# Altium PCB PCB2.PcbDoc (part 4 of 4)
Units mil, origin at the board's own origin, x right, y up, seen from the top; angles counter-clockwise.
Board outline 9200.4 x 4356.3 mil, 4 copper layers (Top Layer, Layer 1, Layer 2, Bottom Layer), stack 23.756 mil thick; 338 components, 1355 nets, 1355 pads, 694 vias.
Unrouted connection lines stored in the file: 1569.
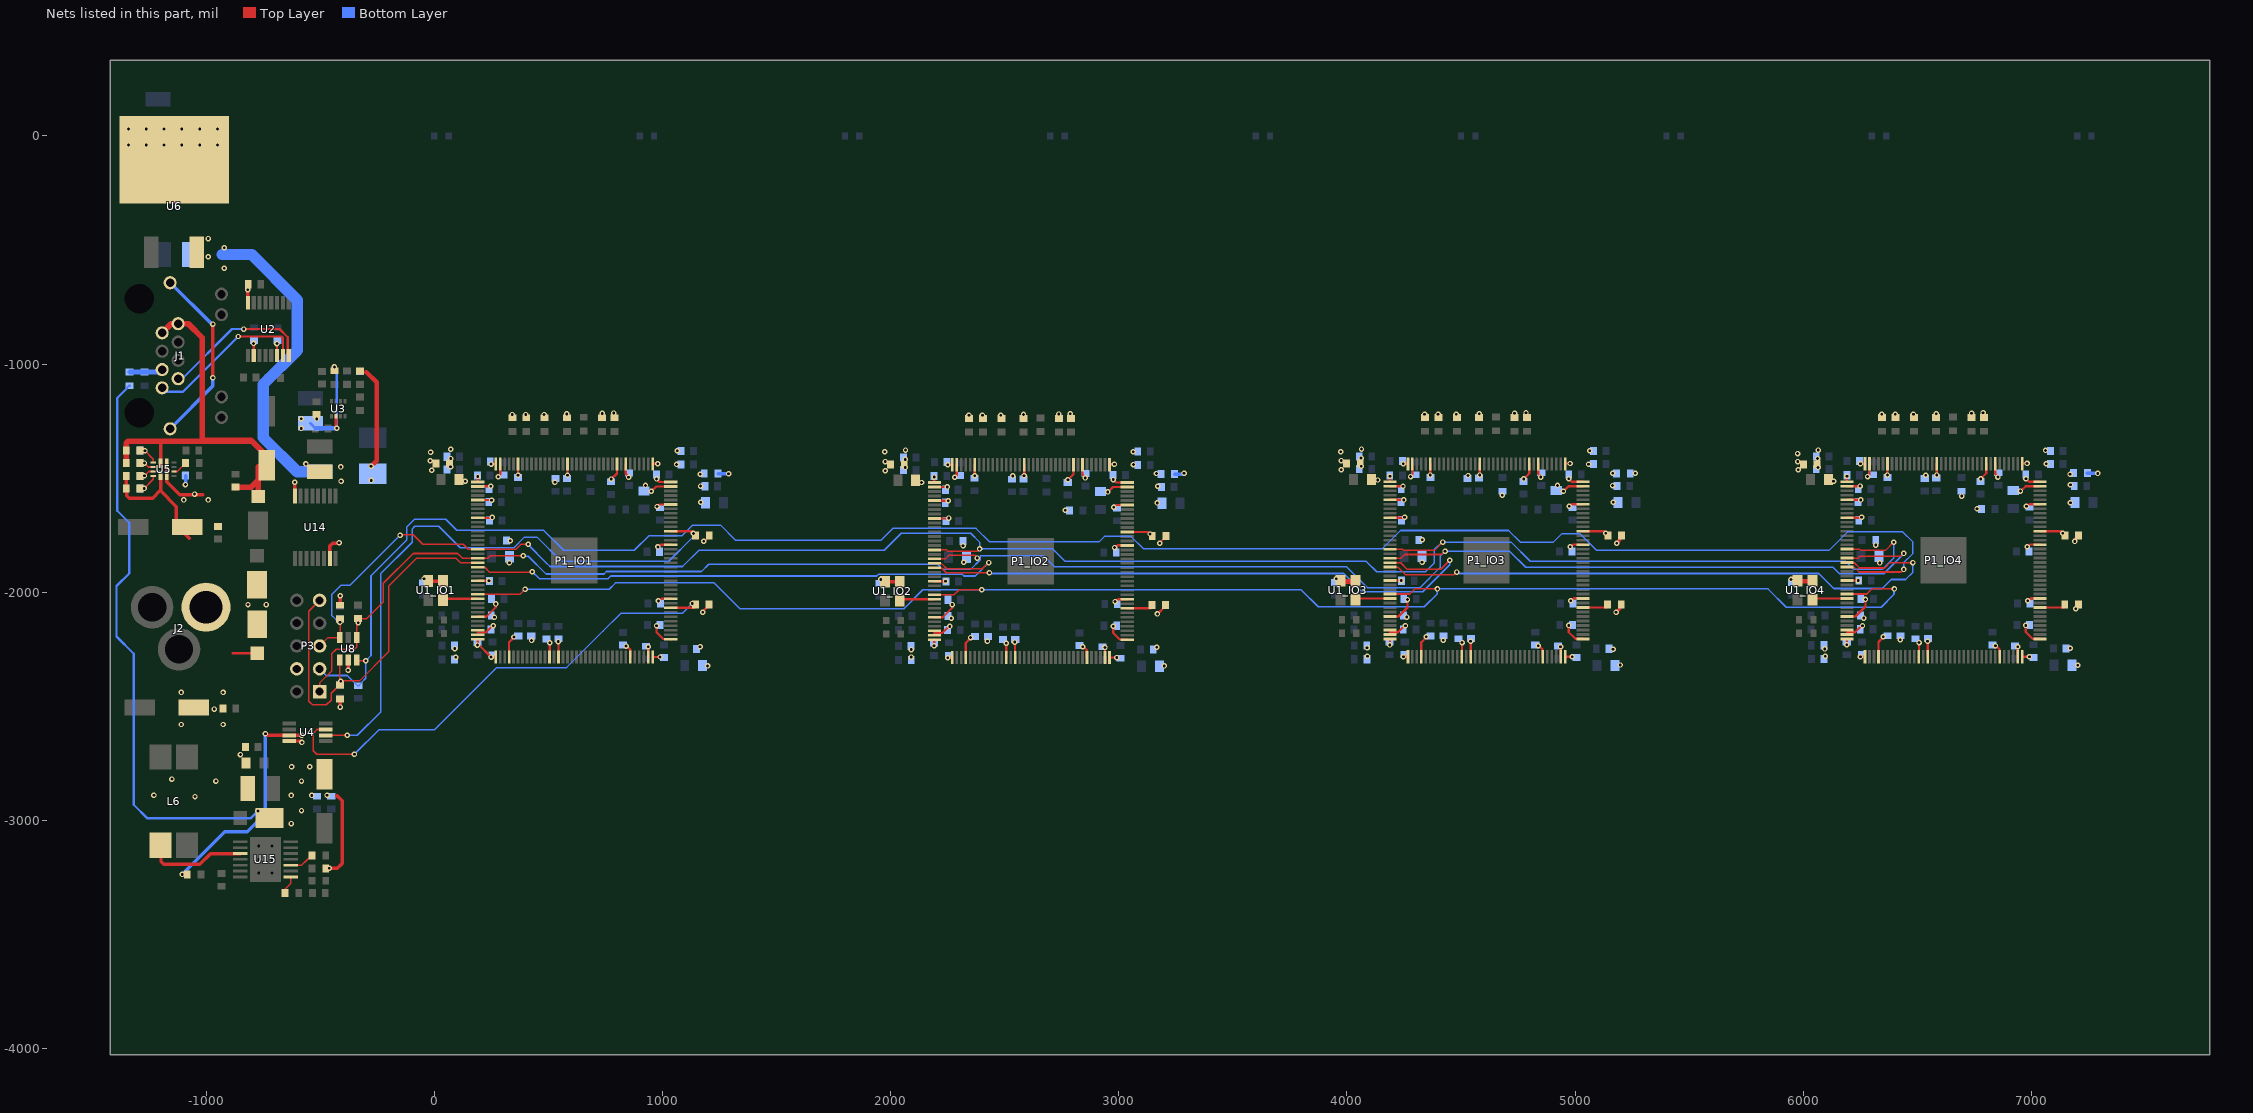
[diagram p6: the nets of this part, all layers, seen from the top]

## Via types
v1: diameter 24, hole 12, Top Layer to Bottom Layer, 694 vias

## Nets (pads, with @x,y where several pads share a name; then routed paths per layer and width w, separated by ;. In a path a pad name is that pad's centre, name@x,y a point inside that pad or via, vN(x,y) a via of type N, cw(c..) or ccw(c..) an arc to the next point about the centre after c; other vN are vias at no path point) (continued)
NetR29_U_VoltageAmplifier112_1: 
NetR29_U_VoltageAmplifier113_1: 
NetR29_U_VoltageAmplifier114_1: 
NetR29_U_VoltageAmplifier121_1: 
NetR29_U_VoltageAmplifier122_1: 
NetR29_U_VoltageAmplifier123_1: 
NetR29_U_VoltageAmplifier124_1: 
NetR29_U_VoltageAmplifier131_1: 
NetR29_U_VoltageAmplifier132_1: 
NetR29_U_VoltageAmplifier133_1: 
NetR29_U_VoltageAmplifier134_1: 
NetR29_U_VoltageAmplifier141_1: 
NetR29_U_VoltageAmplifier142_1: 
NetR29_U_VoltageAmplifier143_1: 
NetR29_U_VoltageAmplifier144_1: 
NetR29_U_VoltageAmplifier151_1: 
NetR29_U_VoltageAmplifier152_1: 
NetR29_U_VoltageAmplifier153_1: 
NetR29_U_VoltageAmplifier154_1: 
NetR29_U_VoltageAmplifier161_1: 
NetR29_U_VoltageAmplifier162_1: 
NetR29_U_VoltageAmplifier163_1: 
NetR29_U_VoltageAmplifier164_1: 
NetR29_U_VoltageAmplifier171_1: 
NetR29_U_VoltageAmplifier172_1: 
NetR29_U_VoltageAmplifier173_1: 
NetR29_U_VoltageAmplifier174_1: 
NetR29_U_VoltageAmplifier181_1: 
NetR29_U_VoltageAmplifier182_1: 
NetR29_U_VoltageAmplifier183_1: 
NetR29_U_VoltageAmplifier184_1: 
NetR29_U_VoltageAmplifier191_1: 
NetR29_U_VoltageAmplifier192_1: 
NetR29_U_VoltageAmplifier193_1: 
NetR29_U_VoltageAmplifier194_1: 
NetR29_U_VoltageAmplifier201_1: 
NetR29_U_VoltageAmplifier202_1: 
NetR29_U_VoltageAmplifier203_1: 
NetR29_U_VoltageAmplifier204_1: 
NetR29_U_VoltageAmplifier211_1: 
NetR29_U_VoltageAmplifier212_1: 
NetR29_U_VoltageAmplifier213_1: 
NetR29_U_VoltageAmplifier214_1: 
NetR29_U_VoltageAmplifier221_1: 
NetR29_U_VoltageAmplifier222_1: 
NetR29_U_VoltageAmplifier223_1: 
NetR29_U_VoltageAmplifier224_1: 
NetR29_U_VoltageAmplifier231_1: 
NetR29_U_VoltageAmplifier232_1: 
NetR29_U_VoltageAmplifier233_1: 
NetR29_U_VoltageAmplifier234_1: 
NetR29_U_VoltageAmplifier241_1: 
NetR29_U_VoltageAmplifier242_1: 
NetR29_U_VoltageAmplifier243_1: 
NetR29_U_VoltageAmplifier244_1: 
NetR29_U_VoltageAmplifier251_1: 
NetR29_U_VoltageAmplifier252_1: 
NetR29_U_VoltageAmplifier253_1: 
NetR29_U_VoltageAmplifier254_1: 
NetR29_U_VoltageAmplifier261_1: 
NetR29_U_VoltageAmplifier262_1: 
NetR29_U_VoltageAmplifier263_1: 
NetR29_U_VoltageAmplifier264_1: 
NetR29_U_VoltageAmplifier271_1: 
NetR29_U_VoltageAmplifier272_1: 
NetR29_U_VoltageAmplifier273_1: 
NetR29_U_VoltageAmplifier274_1: 
NetR29_U_VoltageAmplifier281_1: 
NetR29_U_VoltageAmplifier282_1: 
NetR29_U_VoltageAmplifier283_1: 
NetR29_U_VoltageAmplifier284_1: 
NetR29_U_VoltageAmplifier291_1: 
NetR29_U_VoltageAmplifier292_1: 
NetR29_U_VoltageAmplifier293_1: 
NetR29_U_VoltageAmplifier294_1: 
NetR29_U_VoltageAmplifier301_1: 
NetR29_U_VoltageAmplifier302_1: 
NetR29_U_VoltageAmplifier303_1: 
NetR29_U_VoltageAmplifier304_1: 
NetR29_U_VoltageAmplifier311_1: 
NetR29_U_VoltageAmplifier312_1: 
NetR29_U_VoltageAmplifier313_1: 
NetR29_U_VoltageAmplifier314_1: 
NetR29_U_VoltageAmplifier321_1: 
NetR29_U_VoltageAmplifier322_1: 
NetR29_U_VoltageAmplifier323_1: 
NetR29_U_VoltageAmplifier324_1: 
NetR29_U_VoltageAmplifier331_1: 
NetR29_U_VoltageAmplifier332_1: 
NetR29_U_VoltageAmplifier333_1: 
NetR29_U_VoltageAmplifier334_1: 
NetR29_U_VoltageAmplifier341_1: 
NetR29_U_VoltageAmplifier342_1: 
NetR29_U_VoltageAmplifier343_1: 
NetR29_U_VoltageAmplifier344_1: 
NetR29_U_VoltageAmplifier351_1: 
NetR29_U_VoltageAmplifier352_1: 
NetR29_U_VoltageAmplifier353_1: 
NetR29_U_VoltageAmplifier354_1: 
NetR29_U_VoltageAmplifier361_1: 
NetR29_U_VoltageAmplifier362_1: 
NetR29_U_VoltageAmplifier363_1: 
NetR29_U_VoltageAmplifier364_1: 
NetR29_U_VoltageAmplifier371_1: 
NetR29_U_VoltageAmplifier372_1: 
NetR29_U_VoltageAmplifier373_1: 
NetR29_U_VoltageAmplifier374_1: 
NetR29_U_VoltageAmplifier381_1: 
NetR29_U_VoltageAmplifier382_1: 
NetR29_U_VoltageAmplifier383_1: 
NetR29_U_VoltageAmplifier384_1: 
NetR35_2: R35.2 R38.2 U5.5 | length 46.3
  Top Layer w7: v1(-1269.86,-1489.03) -1251.48,-1470.64 U5.5@-1231.16,-1470.64
NetR36_1: R36.1 R39.1 U5.6 | length 71.6
  Top Layer w7: v1(-1271.36,-1545.23) -1231.16,-1505.02 U5.6@-1231.16,-1490.33
NetR40_1: R40.1 U5.10 | length 66
  Top Layer w7: U5.10@-1140.6,-1470.64 -1125.94,-1470.64 R40.1@-1089.66,-1434.36
NetR41_2: R41.2 R43.2 U5.4 | length 46
  Top Layer w7: v1(-1270.06,-1433.83) -1252.93,-1450.96 U5.4@-1231.16,-1450.96
NetR42_1: R42.1 R44.1 U5.3 | length 66.7
  Top Layer w7: v1(-1267.96,-1379.83) -1231.16,-1416.63 U5.3@-1231.16,-1431.27
NetR47_2: R47.2 U15.8 | length 80.1
  Top Layer w7: R47.2@-653.5,-3317.6 -653.5,-3300.6 -629.36,-3276.46 U15.8@-629.36,-3247.51
NetR48_2: R48.2 U15.10 | length 105.7
  Top Layer w7: U15.10@-629.36,-3196.33 -581.38,-3196.33 -574.15,-3189.1 -568,-3182.95 -540.65,-3155.6 R48.2@-540.5,-3155.6
PWR_CNTRL: C78.2 C79.1 D4.2 J1.7 J1.8 R41.1 R42.2 U5.2 | length 2076.2
  Top Layer w15: U5.2@-1199.3,-1447.6 -1199.3,-1337.6
  Top Layer w25: R41.1@-1349.46,-1434.36 R42.2@-1349.46,-1378.83 -1349.46,-1346.23 -1340.83,-1337.6 -1199.3,-1337.6 -799.7,-1337.6 ; J1.7@-1192.58,-863.31 -1152.42,-823.16 J1.8@-1122.5,-823.16 -1078.17,-823.16 -1016.2,-885.13 -1016.2,-1332.1 ; -1016.2,-1334.4 -802.9,-1334.4 -799.7,-1337.6 ; C78.2@-872.63,-1540.69 C78.2@-870.1,-1538.16 ; C78.2@-870.1,-1539.62 -802.47,-1539.62 -771.9,-1509.05 ; D4.2@-771.9,-1580.34 -771.9,-1509.05 ; -771.9,-1451.5 -771.9,-1509.05 ; -799.7,-1337.6 -753.8,-1383.5 -753.8,-1490.95 -771.9,-1509.05
PWR_LOCAL: C75.2 C76.1 D6.2 J2.1 R35.1 R36.2 U5.7 | length 763.1
  Top Layer w10: J2.1@-1000.29,-2158.56 J2.1@-1000.29,-2065.46 ; -884.1,-2267.1 D6.2@-776,-2267.1
  Top Layer w15: R35.1@-1349.46,-1489.89 R36.2@-1349.46,-1545.43 -1346.95,-1547.94 -1346.95,-1576.64 -1336.46,-1587.13 -1234.26,-1587.13 -1200.81,-1553.67 ; U5.7@-1199.66,-1487.37 -1199.36,-1487.67 -1199.36,-1552.23 -1200.81,-1553.67 ; C76.1@-1135.2,-1702.5 -1073.6,-1764.1 ; C76.1@-1130,-1680 -1130,-1624.48 -1200.81,-1553.67
RS232_RX: J1.2 U2.8 | length 667.7
  Top Layer w10: v1(-834.3,-846.4) -678.36,-846.4 -642.27,-882.49 -642.27,-932.98 -641.39,-933.85 -641.39,-959.01 U2.8@-637.53,-962.87
  Bottom Layer w10: J1.2@-1122.5,-1064.1 -1104.08,-1064.1 -886.38,-846.4 v1(-834.3,-846.4)
RS232_TX: J1.1 U2.7 | length 716.3
  Top Layer w10: v1(-859.38,-879.2) -669.6,-879.2 -663.12,-885.68 U2.7@-663.12,-962.87
  Bottom Layer w10: J1.1@-1192.58,-1104.26 -1175.99,-1120.84 -1101.03,-1120.84 v1(-859.38,-879.2)
SCL: P1_IO1.97 R14_IO1.1 U4.2 | length 2659.6
  Top Layer w7: U4.2@-475.8,-2627 v1@-379,-2627
  Top Layer w10: P1_IO1.97@1036.22,-1733.1 1127,-1733.1 v1(1136,-1742.1) R14_IO1.1@1145,-1751.1
  Bottom Layer w7: v1(-381.48,-2627.04) -337.04,-2627.04 -235.28,-2525.28 -235.28,-1918.84 -96.8,-1780.35 -96.8,-1722.65 -85,-1710.84 20.18,-1710.84 114.42,-1805.08 349.11,-1805.08 395.93,-1758.26 450.3,-1758.26 556.14,-1864.11 1027.12,-1864.11 1133.65,-1757.57 1133.65,-1744.46 v1(1136,-1742.1)
SCL_IO2: P1_IO2.97 R14_IO2.1 | length 116.2
  Top Layer w10: P1_IO2.97@3037.32,-1735.7 3128.1,-1735.7 v1(3137.1,-1744.7) R14_IO2.1@3146.1,-1753.7
SCL_IO3: P1_IO3.97 R14_IO3.1 | length 116.2
  Top Layer w10: P1_IO3.97@5034.22,-1732.25 5125,-1732.25 v1(5134,-1741.25) R14_IO3.1@5143,-1750.25
SCL_IO4: P1_IO4.97 R14_IO4.1 | length 116.2
  Top Layer w10: P1_IO4.97@7037.22,-1732.1 7128,-1732.1 R14_IO4.1@7146,-1750.1
  other v1: 7137,-1741.1
SDA: P1_IO1.80 R20_IO1.1 U4.3 | length 2188
  Top Layer w7: U4.3@-475.8,-2601 -476.36,-2601.56 -513.91,-2601.56 -529.97,-2617.62 -529.97,-2694.53 -514.5,-2710 v1(-350,-2710)
  Top Layer w10: P1_IO1.80@1036.22,-2067.75 1139.75,-2067.75 R20_IO1.1@1144.2,-2063.3
  Bottom Layer w7: v1(-350,-2710) -242.33,-2602.33 1.44,-2602.33 273.77,-2330 580,-2330 740,-2170 817.2,-2092.8 1086.3,-2092.8 1129.8,-2049.3 v1(1130.2,-2049.3)
SDA_IO2: P1_IO2.80 R20_IO2.1 | length 202.8
  Top Layer w10: R20_IO2.1@3145.3,-2065.9 3140.85,-2070.35 R20_IO2.1@3130.3,-2070.35 ; R20_IO2.1@3130.3,-2070.35 P1_IO2.80@3037.32,-2070.35 R20_IO2.1@3130.3,-2070.35
SDA_IO3: P1_IO3.80 R20_IO3.1 | length 202.8
  Top Layer w10: R20_IO3.1@5142.2,-2062.45 5137.75,-2066.9 R20_IO3.1@5127.2,-2066.9 ; R20_IO3.1@5127.2,-2066.9 P1_IO3.80@5034.22,-2066.9 R20_IO3.1@5127.2,-2066.9
SDA_IO4: P1_IO4.80 R20_IO4.1 | length 202.8
  Top Layer w10: R20_IO4.1@7145.2,-2062.3 7140.75,-2066.75 R20_IO4.1@7130.2,-2066.75 ; R20_IO4.1@7130.2,-2066.75 P1_IO4.80@7037.22,-2066.75 R20_IO4.1@7130.2,-2066.75
SHIELD: J1.MH1 J1.MH2 | length 799.5
  Top Layer w15: v1(-970,-1060) v1(-969.97,-824.5)
  Bottom Layer w15: J1.MH2@-1157.54,-1283.78 -970,-1096.25 v1(-970,-1060) ; J1.MH1@-1157.54,-643.63 -1156.37,-643.63 -975.5,-824.5 v1(-969.97,-824.5)
TCK: C36.2 P1_IO1.18 P1_IO2.18 P1_IO3.18 P1_IO4.18 P3.1 R12.2 U8.1 | length 8409.7
  Top Layer w7: P3.1@-502.4,-2435.5 -502.4,-2398.03 -450,-2345.63 -450,-2270 -430,-2250 -350,-2250 -339.6,-2239.6 U8.1@-339.6,-2198.69 -339.6,-2144.98 -332.71,-2138.09 v1(-332.71,-2133.49) ; R12.2@-333.4,-2115.5 -295.5,-2115.5 -223.02,-2043.02 -223.02,-1960.83 -92.18,-1830 102.49,-1830 123.7,-1851.21 P1_IO1.18@190.71,-1851.21 234.82,-1851.21 246.03,-1840 v1(390,-1840) ; P1_IO2.18@2191.81,-1853.81 2240.57,-1853.81 2256.26,-1838.12 2368.12,-1838.12 v1(2380,-1850) ; P1_IO3.18@4188.71,-1850.36 4237.47,-1850.36 4253.16,-1834.67 4412.85,-1834.67 4427.52,-1820 v1(4430,-1820) ; P1_IO4.18@6191.71,-1850.21 6240.47,-1850.21 6249.2,-1841.48 6427.4,-1841.48 6438.88,-1830 v1(6440,-1830)
  Bottom Layer w7: v1(390,-1840) 392.5,-1842.5 412.5,-1842.5 490,-1920 744,-1920 754.91,-1909.09 1170.91,-1909.09 1203.03,-1876.97 2206.97,-1876.97 2230,-1900 2350,-1900 2392.6,-1857.4 2392.6,-1840 2410,-1840 2670,-1840 2717.38,-1887.38 3997.2,-1887.38 4089.77,-1979.94 4320.06,-1979.94 4408.04,-1891.96 4408.04,-1841.96 v1(4430,-1820) 4712.58,-1820 4782.94,-1890.35 6130.35,-1890.35 6158.63,-1918.63 6352.35,-1918.63 6440,-1830.99 v1(6440,-1830)
TDI: C39.2 P1_IO1.19 P3.9 R10.2 U8.4 | length 1753.8
  Top Layer w7: P3.9@-502.4,-2035.5 -550,-2083.1 -550,-2477.1 -533.51,-2493.59 -472.69,-2493.59 -451.81,-2472.71 -451.81,-2443.18 -427.23,-2418.6 -424.4,-2418.6 R10.2@-412.9,-2407.1 ; U8.4@-414.4,-2297.11 -414.4,-2381 -410,-2385.4 v1(-410,-2390) ; v1@-410,-2388.66 -327.64,-2388.66 -200,-2261.02 -200,-1973.1 -77.36,-1850.46 94.99,-1850.46 114.94,-1870.41 190.22,-1870.41 P1_IO1.19@190.71,-1870.9
TDI_IO2: P1_IO1.20 P1_IO2.19 | length 2549.4
  Top Layer w7: P1_IO1.20@190.71,-1890.58 220.86,-1890.58 242.41,-1912.12 427.88,-1912.12 v1(430,-1910) ; P1_IO2.19@2191.81,-1873.5 2192.71,-1874.4 2222.98,-1874.4 2245.98,-1897.4 2401,-1897.4 v1@2424.9,-1873.5
  Bottom Layer w7: v1(430,-1910) 460,-1940 762.74,-1940 774.06,-1928.68 1939.7,-1928.68 1946.98,-1921.4 2313.92,-1921.4 2321.2,-1928.68 2371.32,-1928.68 v1(2430,-1870)
TDI_IO3: P1_IO2.20 P1_IO3.19 | length 2659.6
  Top Layer w7: P1_IO2.20@2191.81,-1893.18 2221.96,-1893.18 2243.51,-1914.72 v1(2433.03,-1914.72) ; P1_IO3.19@4188.71,-1870.05 4189.61,-1870.95 4235.09,-1870.95 4263.08,-1898.94 4411.06,-1898.94 v1(4450,-1860)
  Bottom Layer w7: v1(2433.03,-1914.72) 2436.26,-1917.95 3986.33,-1917.95 4066.18,-1997.81 4332.09,-1997.81 4450,-1879.89 v1(4450,-1860)
TDI_IO4: P1_IO3.20 P1_IO4.19 | length 2719.7
  Top Layer w7: P1_IO3.20@4188.71,-1889.73 4189.53,-1890.56 4223.68,-1890.56 4256.13,-1923.01 4468.55,-1923.01 4480.14,-1911.42 v1(4481.15,-1911.42) ; P1_IO4.19@6191.71,-1869.9 6192.61,-1870.8 6222.88,-1870.8 6245.88,-1893.8 6356.2,-1893.8 6380.1,-1869.9 6479.9,-1869.9 v1(6480,-1870)
  Bottom Layer w7: v1(4481.15,-1911.42) 4485.75,-1911.42 4492.13,-1917.8 6067.8,-1917.8 6133.74,-1983.74 6345.65,-1983.74 6385.18,-1944.21 6447.87,-1944.21 6480,-1912.09 v1(6480,-1870)
TDO: C37.2 P1_IO4.20 P3.3 U8.6 | length 8396.8
  Top Layer w7: U8.6@-339.6,-2297.11 -336.71,-2300 v1(-300,-2300) ; P1_IO4.20@6191.71,-1889.58 6221.86,-1889.58 6243.41,-1911.12 6428.88,-1911.12 v1(6440,-1900)
  Bottom Layer w7: P3.3@-502.4,-2335.5 -473.15,-2364.75 -380.71,-2364.75 -335.92,-2409.54 C37.2@-333.2,-2409.54 -330.48,-2409.54 -318.98,-2398.04 -318.98,-2395.32 -300,-2376.34 v1(-300,-2300) -277.37,-2277.37 -277.37,-1927.74 -119.81,-1770.19 -119.81,-1713.14 -86.67,-1680 50,-1680 98.13,-1728.13 479.25,-1728.13 567.46,-1816.34 877.01,-1816.34 941.08,-1752.27 1086.16,-1752.27 1132.95,-1705.48 1254.34,-1705.48 1321.66,-1772.8 1957.24,-1772.8 2009.84,-1720.2 2374.64,-1720.2 2432.33,-1777.89 2914.98,-1777.89 2937.47,-1755.4 3053.48,-1755.4 3106.59,-1808.51 4155.73,-1808.51 4234.8,-1729.44 4708.17,-1729.44 4758.73,-1780 4904.67,-1780 4940.45,-1744.22 5021.78,-1744.22 5094.28,-1816.72 6112.22,-1816.72 6193.38,-1735.56 6435.56,-1735.56 6480,-1780 6480,-1830 6440,-1870 v1(6440,-1900)
TMS: C38.2 P1_IO1.16 P1_IO2.16 P1_IO3.16 P1_IO4.16 P3.5 R11.2 U8.3 | length 8405.8
  Top Layer w7: P3.5@-502.4,-2235.5 -465.59,-2198.69 U8.3@-414.4,-2198.69 -412.8,-2197.09 R11.2@-412.8,-2116.9 ; v1(-150,-1750) -148.3,-1748.3 -91.7,-1748.3 -50,-1790 127.46,-1790 149.3,-1811.84 P1_IO1.16@190.71,-1811.84 358.16,-1811.84 380,-1790 412.09,-1790 v1(412.4,-1789.7) ; P1_IO2.16@2191.81,-1814.44 2244.91,-1814.44 2250.6,-1820.13 2379.87,-1820.13 v1(2390,-1810) ; P1_IO3.16@4188.71,-1810.99 4241.81,-1810.99 4247.5,-1816.68 4383.32,-1816.68 v1(4420,-1780) ; P1_IO4.16@6191.71,-1810.84 6244.81,-1810.84 6250.5,-1816.53 6360,-1816.53 6395.31,-1781.21 v1(6396.36,-1781.21)
  Bottom Layer w7: C38.2@-412.8,-2116.9 -415.9,-2120 -430.9,-2120 -430.9,-2119.83 -450,-2100.72 -450,-2010.52 -409.48,-1970 -370,-1970 v1(-150,-1750) ; v1(412.4,-1789.7) 412.4,-1792.4 487.01,-1867.01 507.32,-1887.32 1088.31,-1887.32 1160.19,-1815.44 1971.61,-1815.44 2046.17,-1740.88 2350.88,-1740.88 2390,-1780 v1(2390,-1810) 2710,-1810 2764.8,-1864.8 4084.8,-1864.8 4130.3,-1910.3 4344.41,-1910.3 4382.91,-1871.81 4382.91,-1813.36 4416.26,-1780 v1(4420,-1780) 4718.47,-1780 4802.72,-1864.25 6184.25,-1864.25 6220,-1900 6345.97,-1900 6396.36,-1849.62 v1(6396.36,-1781.21)
  other v1: -413.49,-2131.89
V+: C41.2 U2.2 | length 53.5
  Top Layer w10: v1(-791.8,-909.7) -791.08,-910.42 U2.2@-791.08,-962.87
V-: C44.2 U2.6 | length 53.2
  Top Layer w10: v1(-689.5,-910) -688.71,-910.79 U2.6@-688.71,-962.87
V_IN76_U_VoltageAmplifier_1xFPGA1: 
V_IN76_U_VoltageAmplifier_1xFPGA2: 
V_IN76_U_VoltageAmplifier_1xFPGA3: 
V_IN76_U_VoltageAmplifier_1xFPGA4: 
V_OUT1: 
V_OUT2: 
V_OUT3: 
V_OUT4: 
V_OUT5: 
V_OUT6: 
V_OUT7: 
V_OUT8: 
V_OUT9: 
V_OUT10: 
V_OUT11: 
V_OUT12: 
V_OUT13: 
V_OUT14: 
V_OUT15: 
V_OUT16: 
V_OUT17: 
V_OUT18: 
V_OUT19: 
V_OUT20: 
V_OUT21: 
V_OUT22: 
V_OUT23: 
V_OUT24: 
V_OUT25: 
V_OUT26: 
V_OUT27: 
V_OUT28: 
V_OUT29: 
V_OUT30: 
V_OUT31: 
V_OUT32: 
V_OUT33: 
V_OUT34: 
V_OUT35: 
V_OUT36: 
V_OUT37: 
V_OUT38: 
V_OUT39: 
V_OUT40: 
V_OUT41: 
V_OUT42: 
V_OUT43: 
V_OUT44: 
V_OUT45: 
V_OUT46: 
V_OUT47: 
V_OUT48: 
V_OUT49: 
V_OUT50: 
V_OUT51: 
V_OUT52: 
V_OUT53: 
V_OUT54: 
V_OUT55: 
V_OUT56: 
V_OUT57: 
V_OUT58: 
V_OUT59: 
V_OUT60: 
V_OUT61: 
V_OUT62: 
V_OUT63: 
V_OUT64: 
V_OUT65: 
V_OUT66: 
V_OUT67: 
V_OUT68: 
V_OUT69: 
V_OUT70: 
V_OUT71: 
V_OUT72: 
V_OUT73: 
V_OUT74: 
V_OUT75: 
V_OUT76: 
V_OUT76_U_VoltageAmplifier_1xFPGA1: 
V_OUT76_U_VoltageAmplifier_1xFPGA2: 
V_OUT76_U_VoltageAmplifier_1xFPGA3: 
V_OUT76_U_VoltageAmplifier_1xFPGA4: 
V_OUT77: 
V_OUT78: 
V_OUT79: 
V_OUT80: 
V_OUT81: 
V_OUT82: 
V_OUT83: 
V_OUT84: 
V_OUT85: 
V_OUT86: 
V_OUT87: 
V_OUT88: 
V_OUT89: 
V_OUT90: 
V_OUT91: 
V_OUT92: 
V_OUT93: 
V_OUT94: 
V_OUT95: 
V_OUT96: 
V_OUT97: 
V_OUT98: 
V_OUT99: 
V_OUT100: 
V_OUT101: 
V_OUT102: 
V_OUT103: 
V_OUT104: 
V_OUT105: 
V_OUT106: 
V_OUT107: 
V_OUT108: 
V_OUT109: 
V_OUT110: 
V_OUT111: 
V_OUT112: 
V_OUT113: 
V_OUT114: 
V_OUT115: 
V_OUT116: 
V_OUT117: 
V_OUT118: 
V_OUT119: 
V_OUT120: 
V_OUT121: 
V_OUT122: 
V_OUT123: 
V_OUT124: 
V_OUT125: 
V_OUT126: 
V_OUT127: 
V_OUT128: 
V_OUT129: 
V_OUT130: 
V_OUT131: 
V_OUT132: 
V_OUT133: 
V_OUT134: 
V_OUT135: 
V_OUT136: 
V_OUT137: 
V_OUT138: 
V_OUT139: 
V_OUT140: 
V_OUT141: 
V_OUT142: 
V_OUT143: 
V_OUT144: 
V_OUT145: 
V_OUT146: 
V_OUT147: 
V_OUT148: 
V_OUT149: 
V_OUT150: 
V_OUT151: 
V_OUT152: 
V_OUT153: 
V_OUT154: 
V_OUT155: 
V_OUT156: 
V_OUT157: 
V_OUT158: 
V_OUT159: 
V_OUT160: 
V_OUT161: 
V_OUT162: 
V_OUT163: 
V_OUT164: 
V_OUT165: 
V_OUT166: 
V_OUT167: 
V_OUT168: 
V_OUT169: 
V_OUT170: 
V_OUT171: 
V_OUT172: 
V_OUT173: 
V_OUT174: 
V_OUT175: 
V_OUT176: 
V_OUT177: 
V_OUT178: 
V_OUT179: 
V_OUT180: 
V_OUT181: 
V_OUT182: 
V_OUT183: 
V_OUT184: 
V_OUT185: 
V_OUT186: 
V_OUT187: 
V_OUT188: 
V_OUT189: 
V_OUT190: 
V_OUT191: 
V_OUT192: 
V_OUT193: 
V_OUT194: 
V_OUT195: 
V_OUT196: 
V_OUT197: 
V_OUT198: 
V_OUT199: 
V_OUT200: 
V_OUT201: 
V_OUT202: 
V_OUT203: 
V_OUT204: 
V_OUT205: 
V_OUT206: 
V_OUT207: 
V_OUT208: 
V_OUT209: 
V_OUT210: 
V_OUT211: 
V_OUT212: 
V_OUT213: 
V_OUT214: 
V_OUT215: 
V_OUT216: 
V_OUT217: 
V_OUT218: 
V_OUT219: 
V_OUT220: 
V_OUT221: 
V_OUT222: 
V_OUT223: 
V_OUT224: 
V_OUT225: 
V_OUT226: 
V_OUT227: 
V_OUT228: 
V_OUT229: 
V_OUT230: 
V_OUT231: 
V_OUT232: 
V_OUT233: 
V_OUT234: 
V_OUT235: 
V_OUT236: 
V_OUT237: 
V_OUT238: 
V_OUT239: 
V_OUT240: 
V_OUT241: 
V_OUT242: 
V_OUT243: 
V_OUT244: 
V_OUT245: 
V_OUT246: 
V_OUT247: 
V_OUT248: 
V_OUT249: 
V_OUT250: 
V_OUT251: 
V_OUT252: 
V_OUT253: 
V_OUT254: 
V_OUT255: 
V_OUT256: 
V_OUT257: 
V_OUT258: 
V_OUT259: 
V_OUT260: 
V_OUT261: 
V_OUT262: 
V_OUT263: 
V_OUT264: 
V_OUT265: 
V_OUT266: 
V_OUT267: 
V_OUT268: 
V_OUT269: 
V_OUT270: 
V_OUT271: 
V_OUT272: 
V_OUT273: 
V_OUT274: 
V_OUT275: 
V_OUT276: 
V_OUT277: 
V_OUT278: 
V_OUT279: 
V_OUT280: 
V_OUT281: 
V_OUT282: 
V_OUT283: 
V_OUT284: 
V_OUT285: 
V_OUT286: 
V_OUT287: 
V_OUT288: 
V_OUT289: 
V_OUT290: 
V_OUT291: 
V_OUT292: 
V_OUT293: 
V_OUT294: 
V_OUT295: 
V_OUT296: 
V_OUT297: 
V_OUT298: 
V_OUT299: 
V_OUT300: 
V_SENSE: J1.3 R46.2 R49.2 | length 146.9
  Bottom Layer w20: R46.2@-1335,-1034.7 R49.2@-1269.8,-1034.7 -1203.34,-1034.7 J1.3@-1192.58,-1023.94
VCC_3V3: C1_IO1.2 C1_IO2.2 C1_IO3.2 C1_IO4.2 C14.2 C42.2 L1_POWER1.1 L1_POWER2.1 L1_POWER3.1 L1_POWER4.1 L3_POWER1.1 L3_POWER2.1 L3_POWER3.1 L3_POWER4.1 P3.4 R10.1 R11.1 R22.1 U1_IO1.1 U1_IO1.4 U1_IO2.1 U1_IO2.4 U1_IO3.1 U1_IO3.4 U1_IO4.1 U1_IO4.4 U2.16 U4.7 U4.8 U6.4 U8.5 U14.7 U14.16 | length 2003.9
  Top Layer w15: U2.16@-816.67,-731.53 -816.67,-651.51 C42.2@-815.26,-650.1 ; v1(-740,-2620) -732.5,-2627.5 -636.3,-2627.5 U4.7@-635.8,-2627 -580.3,-2627 v1(-580,-2627.3) ; U4.8@-635.8,-2652 -587,-2652 v1@-581,-2658 ; U14.16@-610.97,-1577.98 -610.97,-1517.07 v1@-610.9,-1517 ; U14.7@-457.42,-1852.62 -457.42,-1797.15 -445.21,-1784.94 -419.04,-1784.94 v1(-417.32,-1783.22) ; R10.1@-412.9,-2467.1 -412.24,-2467.76 -412.24,-2502.59 v1(-411.59,-2503.25) ; R11.1@-412.8,-2056.9 -412.55,-2056.65 -412.55,-2015.78 v1(-412.29,-2015.53) ; v1(-377.83,-2342.25) -377.41,-2341.84 -377.41,-2297.53 U8.5@-377,-2297.11 ; U1_IO1.1@-26.28,-1950.96 U1_IO1.4@38.68,-1950.96 ; U1_IO2.1@1966.75,-1954.2 U1_IO2.4@2031.72,-1954.2 ; U1_IO2.1@1974.82,-1953.56 U1_IO2.4@2039.78,-1953.56 ; U1_IO3.1@3967.85,-1956.8 U1_IO3.4@4032.82,-1956.8 ; U1_IO3.1@3971.72,-1950.11 U1_IO3.4@4036.68,-1950.11 ; U1_IO4.1@5964.75,-1953.35 U1_IO4.4@6029.72,-1953.35 ; U1_IO4.1@5974.72,-1949.96 U1_IO4.4@6039.68,-1949.96
  Bottom Layer w15: v1(-1104.5,-3236.6) -917.9,-3050 -819.28,-3050 -740,-2970.72 -740,-2650 v1(-740,-2620) ; L3_POWER1.1@1243.57,-1479.4 1244.1,-1479.93 1289.26,-1479.93 v1(1289.79,-1480.46) ; L3_POWER2.1@3244.67,-1482 3280.62,-1482 3283.68,-1478.93 v1(3286.12,-1478.93) ; L3_POWER4.1@7244.57,-1478.4 7244.89,-1478.72 7289.58,-1478.72 v1(7289.91,-1479.05)
  other v1: -580,-2658 1956.3,-1943.9 5946.23,-1943.68 -44.8,-1941.3 3953.2,-1940.45 -610.9,-1517.5 5263.19,-1477.94 1976.13,-1467.81 -11.32,-1465.53 3974.73,-1463.54 5977.38,-1462.82 1975.93,-1427.42 5975.93,-1427.42 -17.1,-1424.19 3974.31,-1422.97 5974.79,-1392.22 -15.99,-1386.25 1974.83,-1384.07 3972.24,-1383.74 -816.89,-674.63 -1340,-40 -1262,-40 -1184,-40 -1106,-40 -1028,-40 -950,-40 -1340,30 -1262,30 -1184,30 -1106,30 -1028,30 -950,30
VCC_5V: C8.2 C25.1 C26.2 C27.2 L4.2 R18.2 U6.3 | length 1828
  Top Layer w20: -298.04,-1034.9 -252.77,-1080.17 -252.77,-1422.9 v1(-277.11,-1447.25)
  Bottom Layer w50: -930,-520 -800,-520 -600,-720 -600,-940 -750,-1090 -750,-1321.44 -600,-1471.44 C27.2@-501.7,-1471.44
  other v1: -408.59,-1514.05 -275.51,-1509.78 -409.5,-1450.9 -562.5,-1437.6 -920,-580 -990,-530 -920,-490 -990,-450